# Altium PCB rev3.PcbDoc (part 6 of 7)
Units mil, origin at the board's own origin, x right, y up, seen from the top; angles counter-clockwise.
Board outline 1000 x 800 mil, 2 copper layers (Top Layer, Bottom Layer); 273 components, 16 nets, 2912 pads, 0 vias.
Unrouted connection lines stored in the file: 16.
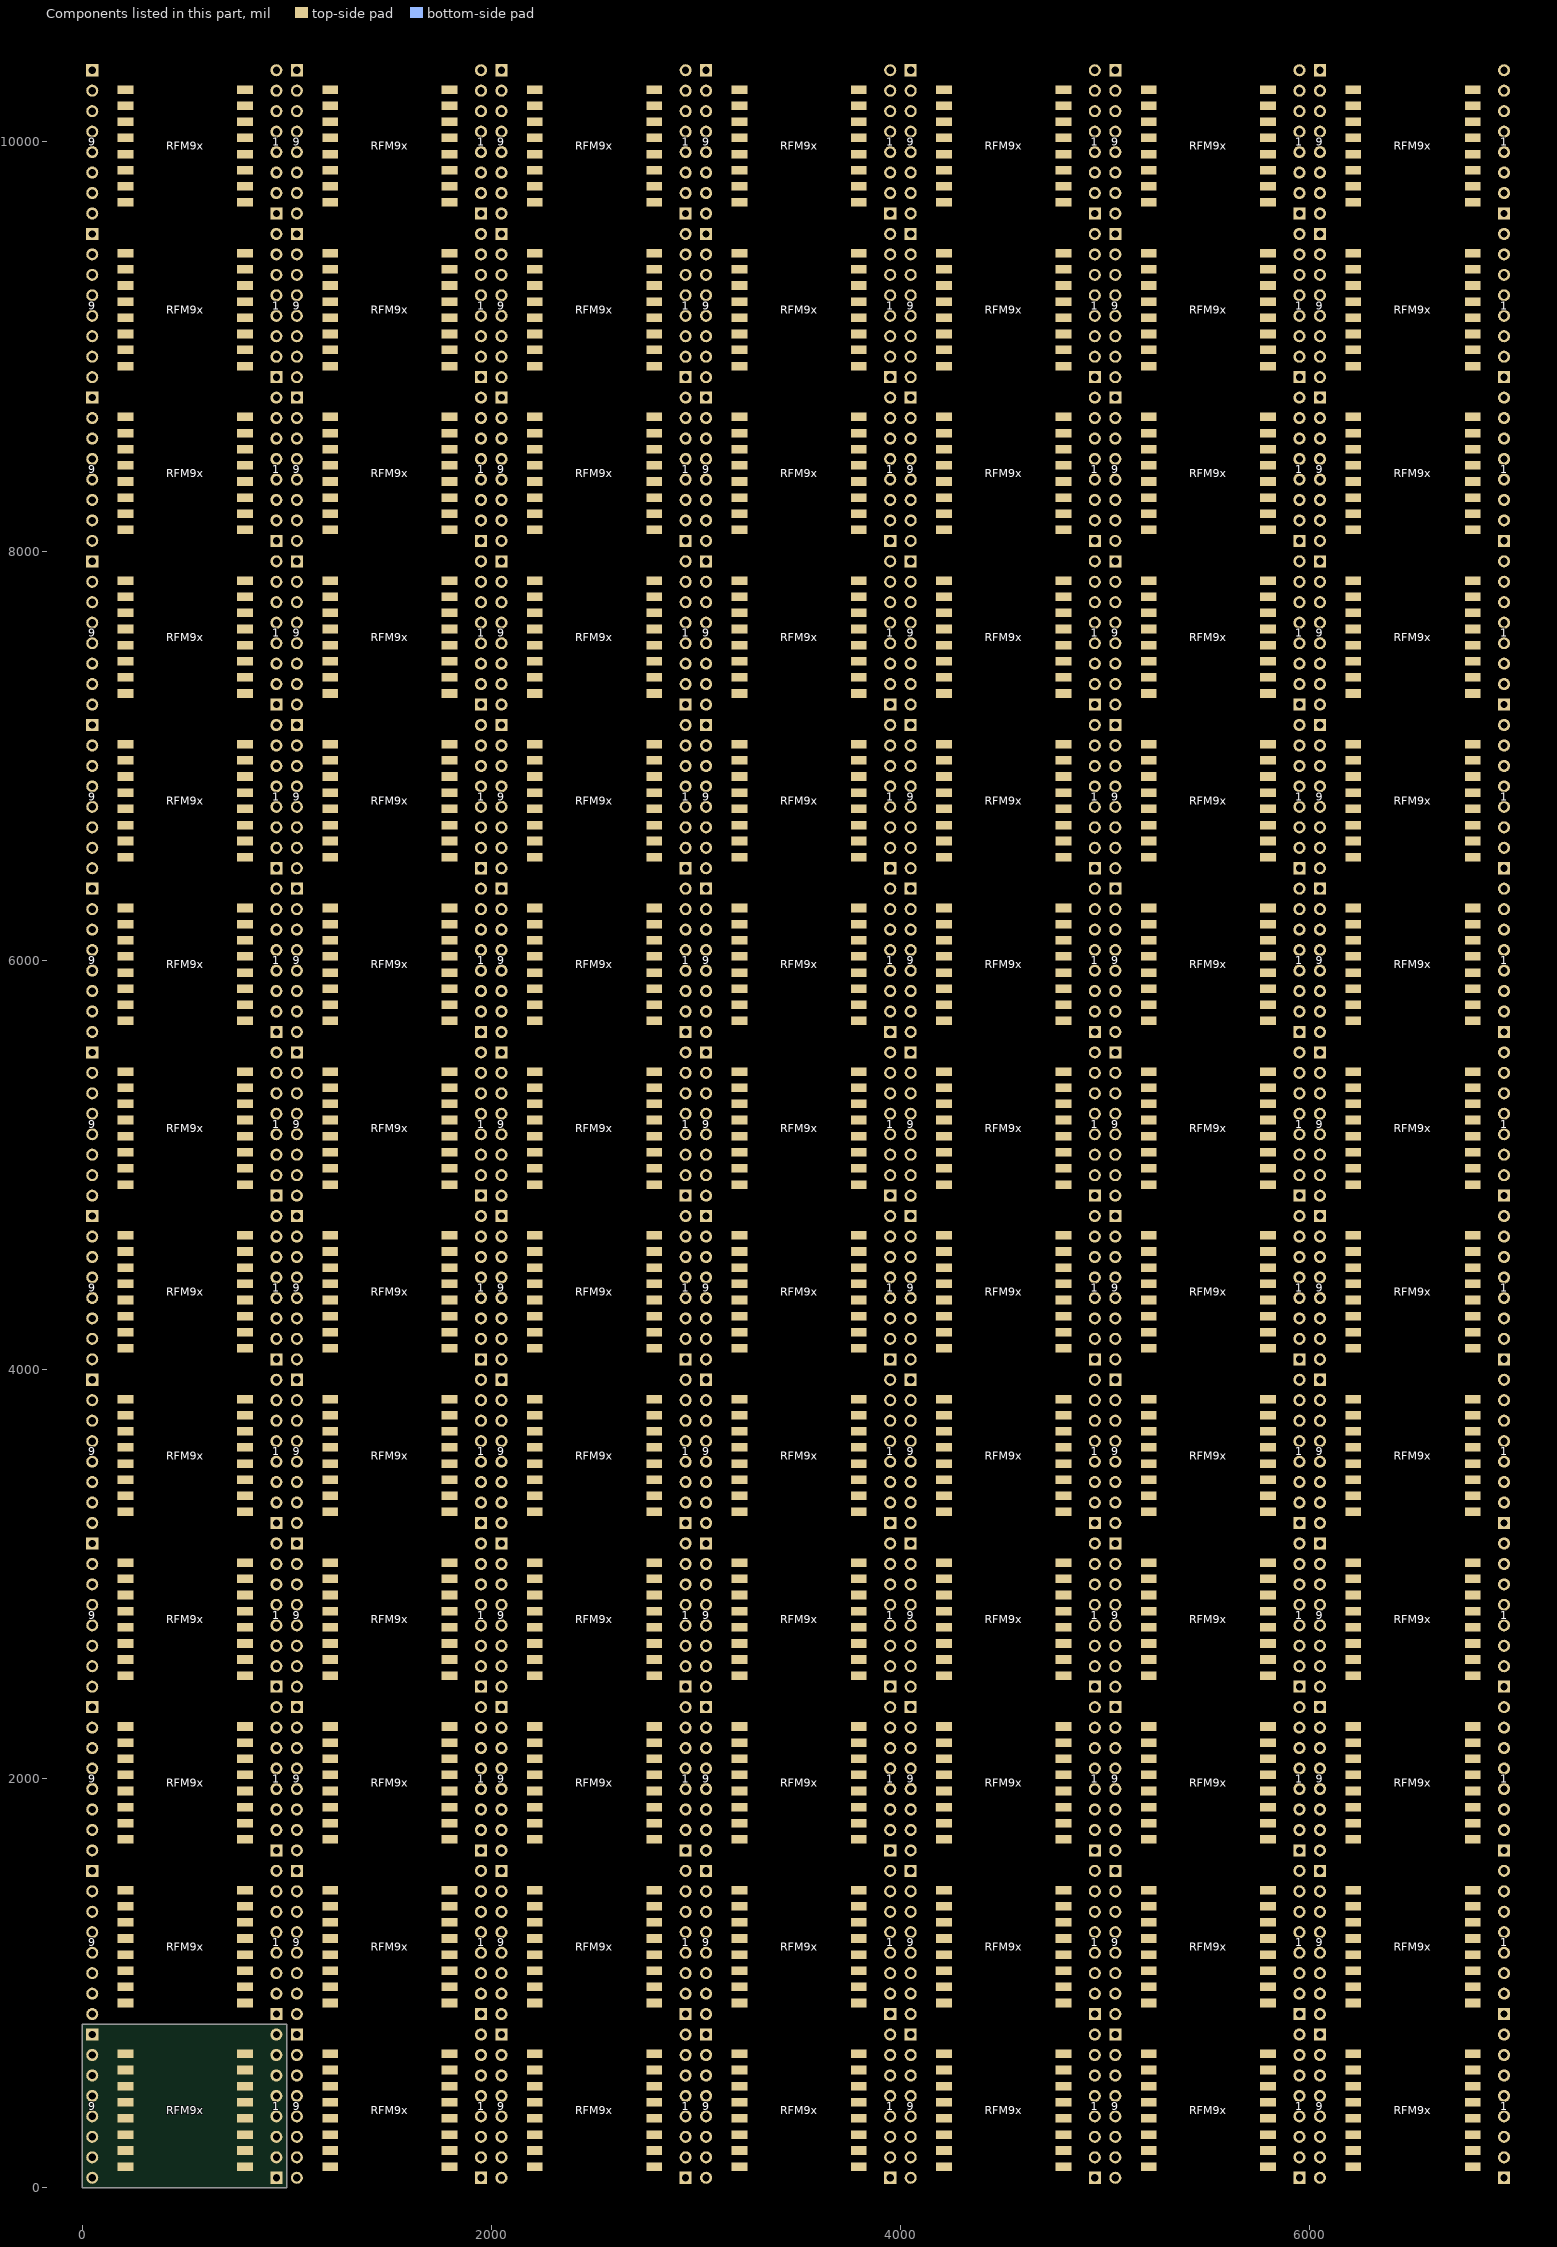
[diagram p6: the components of this part, seen from the top]

## Silkscreen, mask and mechanical layers (free items; w line width, h text height)
Top Overlay:
  text "ANT" at 150,10226 h23 r90
  text "ANT" at 1150,10226 h23 r90
  text "ANT" at 2150,10226 h23 r90
  text "ANT" at 3150,10226 h23 r90
  text "ANT" at 4150,10226 h23 r90
  text "ANT" at 5150,10226 h23 r90
  text "ANT" at 6150,10226 h23 r90
  text "GND" at 880,10225 h23 r90
  text "GND" at 1880,10225 h23 r90
  text "GND" at 2880,10225 h23 r90
  text "GND" at 3880,10225 h23 r90
  text "GND" at 4880,10225 h23 r90
  text "GND" at 5880,10225 h23 r90
  text "GND" at 6880,10225 h23 r90
  text "D5" at 880,10160 h23 r90
  text "D5" at 1880,10160 h23 r90
  text "D5" at 2880,10160 h23 r90
  text "D5" at 3880,10160 h23 r90
  text "D5" at 4880,10160 h23 r90
  text "D5" at 5880,10160 h23 r90
  text "D5" at 6880,10160 h23 r90
  text "GND" at 150,10150 h23 r90
  text "GND" at 1150,10150 h23 r90
  text "GND" at 2150,10150 h23 r90
  text "GND" at 3150,10150 h23 r90
  text "GND" at 4150,10150 h23 r90
  text "GND" at 5150,10150 h23 r90
  text "GND" at 6150,10150 h23 r90
  text "D3" at 150,10080 h23 r90
  text "D3" at 1150,10080 h23 r90
  text "D3" at 2150,10080 h23 r90
  text "D3" at 3150,10080 h23 r90
  text "D3" at 4150,10080 h23 r90
  text "D3" at 5150,10080 h23 r90
  text "D3" at 6150,10080 h23 r90
  text "RST" at 880,10070 h23 r90
  text "RST" at 1880,10070 h23 r90
  text "RST" at 2880,10070 h23 r90
  text "RST" at 3880,10070 h23 r90
  text "RST" at 4880,10070 h23 r90
  text "RST" at 5880,10070 h23 r90
  text "RST" at 6880,10070 h23 r90
  text "D4" at 150,10005 h23 r90
  text "D4" at 1150,10005 h23 r90
  text "D4" at 2150,10005 h23 r90
  text "D4" at 3150,10005 h23 r90
  text "D4" at 4150,10005 h23 r90
  text "D4" at 5150,10005 h23 r90
  text "D4" at 6150,10005 h23 r90
  text "NS" at 880,10000 h23 r90
  text "NS" at 1880,10000 h23 r90
  text "NS" at 2880,10000 h23 r90
  text "NS" at 3880,10000 h23 r90
  text "NS" at 4880,10000 h23 r90
  text "NS" at 5880,10000 h23 r90
  text "NS" at 6880,10000 h23 r90
  text "VCC" at 150,9910 h23 r90
  text "SCK" at 880,9910 h23 r90
  text "VCC" at 1150,9910 h23 r90
  text "SCK" at 1880,9910 h23 r90
  text "VCC" at 2150,9910 h23 r90
  text "SCK" at 2880,9910 h23 r90
  text "VCC" at 3150,9910 h23 r90
  text "SCK" at 3880,9910 h23 r90
  text "VCC" at 4150,9910 h23 r90
  text "SCK" at 4880,9910 h23 r90
  text "VCC" at 5150,9910 h23 r90
  text "SCK" at 5880,9910 h23 r90
  text "VCC" at 6150,9910 h23 r90
  text "SCK" at 6880,9910 h23 r90
  text "D0" at 150,9845 h23 r90
  text "MO" at 880,9845 h23 r90
  text "D0" at 1150,9845 h23 r90
  text "MO" at 1880,9845 h23 r90
  text "D0" at 2150,9845 h23 r90
  text "MO" at 2880,9845 h23 r90
  text "D0" at 3150,9845 h23 r90
  text "MO" at 3880,9845 h23 r90
  text "D0" at 4150,9845 h23 r90
  text "MO" at 4880,9845 h23 r90
  text "D0" at 5150,9845 h23 r90
  text "MO" at 5880,9845 h23 r90
  text "D0" at 6150,9845 h23 r90
  text "MO" at 6880,9845 h23 r90
  text "D1" at 150,9770 h23 r90
  text "MI" at 880,9770 h23 r90
  text "D1" at 1150,9770 h23 r90
  text "MI" at 1880,9770 h23 r90
  text "D1" at 2150,9770 h23 r90
  text "MI" at 2880,9770 h23 r90
  text "D1" at 3150,9770 h23 r90
  text "MI" at 3880,9770 h23 r90
  text "D1" at 4150,9770 h23 r90
  text "MI" at 4880,9770 h23 r90
  text "D1" at 5150,9770 h23 r90
  text "MI" at 5880,9770 h23 r90
  text "D1" at 6150,9770 h23 r90
  text "MI" at 6880,9770 h23 r90
  text "D2" at 150,9685 h23 r90
  text "D2" at 1150,9685 h23 r90
  text "D2" at 2150,9685 h23 r90
  text "D2" at 3150,9685 h23 r90
  text "D2" at 4150,9685 h23 r90
  text "D2" at 5150,9685 h23 r90
  text "D2" at 6150,9685 h23 r90
  text "GND" at 865,9680 h20 r90
  text "GND" at 1865,9680 h20 r90
  text "GND" at 2865,9680 h20 r90
  text "GND" at 3865,9680 h20 r90
  text "GND" at 4865,9680 h20 r90
  text "GND" at 5865,9680 h20 r90
  text "GND" at 6865,9680 h20 r90
  text "LoRaWan Thailand." at 315,9615 h30
  text "LoRaWan Thailand." at 1315,9615 h30
  text "LoRaWan Thailand." at 2315,9615 h30
  text "LoRaWan Thailand." at 3315,9615 h30
  text "LoRaWan Thailand." at 4315,9615 h30
  text "LoRaWan Thailand." at 5315,9615 h30
  text "LoRaWan Thailand." at 6315,9615 h30
  text "ANT" at 150,9426 h23 r90
  text "ANT" at 1150,9426 h23 r90
  text "ANT" at 2150,9426 h23 r90
  text "ANT" at 3150,9426 h23 r90
  text "ANT" at 4150,9426 h23 r90
  text "ANT" at 5150,9426 h23 r90
  text "ANT" at 6150,9426 h23 r90
  text "GND" at 880,9425 h23 r90
  text "GND" at 1880,9425 h23 r90
  text "GND" at 2880,9425 h23 r90
  text "GND" at 3880,9425 h23 r90
  text "GND" at 4880,9425 h23 r90
  text "GND" at 5880,9425 h23 r90
  text "GND" at 6880,9425 h23 r90
  text "D5" at 880,9360 h23 r90
  text "D5" at 1880,9360 h23 r90
  text "D5" at 2880,9360 h23 r90
  text "D5" at 3880,9360 h23 r90
  text "D5" at 4880,9360 h23 r90
  text "D5" at 5880,9360 h23 r90
  text "D5" at 6880,9360 h23 r90
  text "GND" at 150,9350 h23 r90
  text "GND" at 1150,9350 h23 r90
  text "GND" at 2150,9350 h23 r90
  text "GND" at 3150,9350 h23 r90
  text "GND" at 4150,9350 h23 r90
  text "GND" at 5150,9350 h23 r90
  text "GND" at 6150,9350 h23 r90
  text "D3" at 150,9280 h23 r90
  text "D3" at 1150,9280 h23 r90
  text "D3" at 2150,9280 h23 r90
  text "D3" at 3150,9280 h23 r90
  text "D3" at 4150,9280 h23 r90
  text "D3" at 5150,9280 h23 r90
  text "D3" at 6150,9280 h23 r90
  text "RST" at 880,9270 h23 r90
  text "RST" at 1880,9270 h23 r90
  text "RST" at 2880,9270 h23 r90
  text "RST" at 3880,9270 h23 r90
  text "RST" at 4880,9270 h23 r90
  text "RST" at 5880,9270 h23 r90
  text "RST" at 6880,9270 h23 r90
  text "D4" at 150,9205 h23 r90
  text "D4" at 1150,9205 h23 r90
  text "D4" at 2150,9205 h23 r90
  text "D4" at 3150,9205 h23 r90
  text "D4" at 4150,9205 h23 r90
  text "D4" at 5150,9205 h23 r90
  text "D4" at 6150,9205 h23 r90
  text "NS" at 880,9200 h23 r90
  text "NS" at 1880,9200 h23 r90
  text "NS" at 2880,9200 h23 r90
  text "NS" at 3880,9200 h23 r90
  text "NS" at 4880,9200 h23 r90
  text "NS" at 5880,9200 h23 r90
  text "NS" at 6880,9200 h23 r90
  text "VCC" at 150,9110 h23 r90
  text "SCK" at 880,9110 h23 r90
  text "VCC" at 1150,9110 h23 r90
  text "SCK" at 1880,9110 h23 r90
  text "VCC" at 2150,9110 h23 r90
  text "SCK" at 2880,9110 h23 r90
  text "VCC" at 3150,9110 h23 r90
  text "SCK" at 3880,9110 h23 r90
  text "VCC" at 4150,9110 h23 r90
  text "SCK" at 4880,9110 h23 r90
  text "VCC" at 5150,9110 h23 r90
  text "SCK" at 5880,9110 h23 r90
  text "VCC" at 6150,9110 h23 r90
  text "SCK" at 6880,9110 h23 r90
  text "D0" at 150,9045 h23 r90
  text "MO" at 880,9045 h23 r90
  text "D0" at 1150,9045 h23 r90
  text "MO" at 1880,9045 h23 r90
  text "D0" at 2150,9045 h23 r90
  text "MO" at 2880,9045 h23 r90
  text "D0" at 3150,9045 h23 r90
  text "MO" at 3880,9045 h23 r90
  text "D0" at 4150,9045 h23 r90
  text "MO" at 4880,9045 h23 r90
  text "D0" at 5150,9045 h23 r90
  text "MO" at 5880,9045 h23 r90
  text "D0" at 6150,9045 h23 r90
  text "MO" at 6880,9045 h23 r90
  text "D1" at 150,8970 h23 r90
  text "MI" at 880,8970 h23 r90
  text "D1" at 1150,8970 h23 r90
  text "MI" at 1880,8970 h23 r90
  text "D1" at 2150,8970 h23 r90
  text "MI" at 2880,8970 h23 r90
  text "D1" at 3150,8970 h23 r90
  text "MI" at 3880,8970 h23 r90
  text "D1" at 4150,8970 h23 r90
  text "MI" at 4880,8970 h23 r90
  text "D1" at 5150,8970 h23 r90
  text "MI" at 5880,8970 h23 r90
  text "D1" at 6150,8970 h23 r90
  text "MI" at 6880,8970 h23 r90
  text "D2" at 150,8885 h23 r90
  text "D2" at 1150,8885 h23 r90
  text "D2" at 2150,8885 h23 r90
  text "D2" at 3150,8885 h23 r90
  text "D2" at 4150,8885 h23 r90
  text "D2" at 5150,8885 h23 r90
  text "D2" at 6150,8885 h23 r90
  text "GND" at 865,8880 h20 r90
  text "GND" at 1865,8880 h20 r90
  text "GND" at 2865,8880 h20 r90
  text "GND" at 3865,8880 h20 r90
  text "GND" at 4865,8880 h20 r90
  text "GND" at 5865,8880 h20 r90
  text "GND" at 6865,8880 h20 r90
  text "LoRaWan Thailand." at 315,8815 h30
  text "LoRaWan Thailand." at 1315,8815 h30
  text "LoRaWan Thailand." at 2315,8815 h30
  text "LoRaWan Thailand." at 3315,8815 h30
  text "LoRaWan Thailand." at 4315,8815 h30
  text "LoRaWan Thailand." at 5315,8815 h30
  text "LoRaWan Thailand." at 6315,8815 h30
  text "ANT" at 150,8626 h23 r90
  text "ANT" at 1150,8626 h23 r90
  text "ANT" at 2150,8626 h23 r90
  text "ANT" at 3150,8626 h23 r90
  text "ANT" at 4150,8626 h23 r90
  text "ANT" at 5150,8626 h23 r90
  text "ANT" at 6150,8626 h23 r90
  text "GND" at 880,8625 h23 r90
  text "GND" at 1880,8625 h23 r90
  text "GND" at 2880,8625 h23 r90
  text "GND" at 3880,8625 h23 r90
  text "GND" at 4880,8625 h23 r90
  text "GND" at 5880,8625 h23 r90
  text "GND" at 6880,8625 h23 r90
  text "D5" at 880,8560 h23 r90
  text "D5" at 1880,8560 h23 r90
  text "D5" at 2880,8560 h23 r90
  text "D5" at 3880,8560 h23 r90
  text "D5" at 4880,8560 h23 r90
  text "D5" at 5880,8560 h23 r90
  text "D5" at 6880,8560 h23 r90
  text "GND" at 150,8550 h23 r90
  text "GND" at 1150,8550 h23 r90
  text "GND" at 2150,8550 h23 r90
  text "GND" at 3150,8550 h23 r90
  text "GND" at 4150,8550 h23 r90
  text "GND" at 5150,8550 h23 r90
  text "GND" at 6150,8550 h23 r90
  text "D3" at 150,8480 h23 r90
  text "D3" at 1150,8480 h23 r90
  text "D3" at 2150,8480 h23 r90
  text "D3" at 3150,8480 h23 r90
  text "D3" at 4150,8480 h23 r90
  text "D3" at 5150,8480 h23 r90
  text "D3" at 6150,8480 h23 r90
  text "RST" at 880,8470 h23 r90
  text "RST" at 1880,8470 h23 r90
  text "RST" at 2880,8470 h23 r90
  text "RST" at 3880,8470 h23 r90
  text "RST" at 4880,8470 h23 r90
  text "RST" at 5880,8470 h23 r90
  text "RST" at 6880,8470 h23 r90
  text "D4" at 150,8405 h23 r90
  text "D4" at 1150,8405 h23 r90
  text "D4" at 2150,8405 h23 r90
  text "D4" at 3150,8405 h23 r90
  text "D4" at 4150,8405 h23 r90
  text "D4" at 5150,8405 h23 r90
  text "D4" at 6150,8405 h23 r90
  text "NS" at 880,8400 h23 r90
  text "NS" at 1880,8400 h23 r90
  text "NS" at 2880,8400 h23 r90
  text "NS" at 3880,8400 h23 r90
  text "NS" at 4880,8400 h23 r90
  text "NS" at 5880,8400 h23 r90
  text "NS" at 6880,8400 h23 r90
  text "VCC" at 150,8310 h23 r90
  text "SCK" at 880,8310 h23 r90
  text "VCC" at 1150,8310 h23 r90
  text "SCK" at 1880,8310 h23 r90
  text "VCC" at 2150,8310 h23 r90
  text "SCK" at 2880,8310 h23 r90
  text "VCC" at 3150,8310 h23 r90
  text "SCK" at 3880,8310 h23 r90
  text "VCC" at 4150,8310 h23 r90
  text "SCK" at 4880,8310 h23 r90
  text "VCC" at 5150,8310 h23 r90
  text "SCK" at 5880,8310 h23 r90
  text "VCC" at 6150,8310 h23 r90
  text "SCK" at 6880,8310 h23 r90
  text "D0" at 150,8245 h23 r90
  text "MO" at 880,8245 h23 r90
  text "D0" at 1150,8245 h23 r90
  text "MO" at 1880,8245 h23 r90
  text "D0" at 2150,8245 h23 r90
  text "MO" at 2880,8245 h23 r90
  text "D0" at 3150,8245 h23 r90
  text "MO" at 3880,8245 h23 r90
  text "D0" at 4150,8245 h23 r90
  text "MO" at 4880,8245 h23 r90
  text "D0" at 5150,8245 h23 r90
  text "MO" at 5880,8245 h23 r90
  text "D0" at 6150,8245 h23 r90
  text "MO" at 6880,8245 h23 r90
  text "D1" at 150,8170 h23 r90
  text "MI" at 880,8170 h23 r90
  text "D1" at 1150,8170 h23 r90
  text "MI" at 1880,8170 h23 r90
  text "D1" at 2150,8170 h23 r90
  text "MI" at 2880,8170 h23 r90
  text "D1" at 3150,8170 h23 r90
  text "MI" at 3880,8170 h23 r90
  text "D1" at 4150,8170 h23 r90
  text "MI" at 4880,8170 h23 r90
  text "D1" at 5150,8170 h23 r90
  text "MI" at 5880,8170 h23 r90
  text "D1" at 6150,8170 h23 r90
  text "MI" at 6880,8170 h23 r90
  text "D2" at 150,8085 h23 r90
  text "D2" at 1150,8085 h23 r90
  text "D2" at 2150,8085 h23 r90
  text "D2" at 3150,8085 h23 r90
  text "D2" at 4150,8085 h23 r90
  text "D2" at 5150,8085 h23 r90
  text "D2" at 6150,8085 h23 r90
  text "GND" at 865,8080 h20 r90
  text "GND" at 1865,8080 h20 r90
  text "GND" at 2865,8080 h20 r90
  text "GND" at 3865,8080 h20 r90
  text "GND" at 4865,8080 h20 r90
  text "GND" at 5865,8080 h20 r90
  text "GND" at 6865,8080 h20 r90
  text "LoRaWan Thailand." at 315,8015 h30
  text "LoRaWan Thailand." at 1315,8015 h30
  text "LoRaWan Thailand." at 2315,8015 h30
  text "LoRaWan Thailand." at 3315,8015 h30
  text "LoRaWan Thailand." at 4315,8015 h30
  text "LoRaWan Thailand." at 5315,8015 h30
  text "LoRaWan Thailand." at 6315,8015 h30
  text "ANT" at 150,7826 h23 r90
  text "ANT" at 1150,7826 h23 r90
  text "ANT" at 2150,7826 h23 r90
  text "ANT" at 3150,7826 h23 r90
  text "ANT" at 4150,7826 h23 r90
  text "ANT" at 5150,7826 h23 r90
  text "ANT" at 6150,7826 h23 r90
  text "GND" at 880,7825 h23 r90
  text "GND" at 1880,7825 h23 r90
  text "GND" at 2880,7825 h23 r90
  text "GND" at 3880,7825 h23 r90
  text "GND" at 4880,7825 h23 r90
  text "GND" at 5880,7825 h23 r90
  text "GND" at 6880,7825 h23 r90
  text "D5" at 880,7760 h23 r90
  text "D5" at 1880,7760 h23 r90
  text "D5" at 2880,7760 h23 r90
  text "D5" at 3880,7760 h23 r90
  text "D5" at 4880,7760 h23 r90
  text "D5" at 5880,7760 h23 r90
  text "D5" at 6880,7760 h23 r90
  text "GND" at 150,7750 h23 r90
  text "GND" at 1150,7750 h23 r90
  text "GND" at 2150,7750 h23 r90
  text "GND" at 3150,7750 h23 r90
  text "GND" at 4150,7750 h23 r90
  text "GND" at 5150,7750 h23 r90
  text "GND" at 6150,7750 h23 r90
  text "D3" at 150,7680 h23 r90
  text "D3" at 1150,7680 h23 r90
  text "D3" at 2150,7680 h23 r90
  text "D3" at 3150,7680 h23 r90
  text "D3" at 4150,7680 h23 r90
  text "D3" at 5150,7680 h23 r90
  text "D3" at 6150,7680 h23 r90
  text "RST" at 880,7670 h23 r90
  text "RST" at 1880,7670 h23 r90
  text "RST" at 2880,7670 h23 r90
  text "RST" at 3880,7670 h23 r90
  text "RST" at 4880,7670 h23 r90
  text "RST" at 5880,7670 h23 r90
  text "RST" at 6880,7670 h23 r90
  text "D4" at 150,7605 h23 r90
  text "D4" at 1150,7605 h23 r90
  text "D4" at 2150,7605 h23 r90
  text "D4" at 3150,7605 h23 r90
  text "D4" at 4150,7605 h23 r90
  text "D4" at 5150,7605 h23 r90
  text "D4" at 6150,7605 h23 r90
  text "NS" at 880,7600 h23 r90
  text "NS" at 1880,7600 h23 r90
  text "NS" at 2880,7600 h23 r90
  text "NS" at 3880,7600 h23 r90
  text "NS" at 4880,7600 h23 r90
  text "NS" at 5880,7600 h23 r90
  text "NS" at 6880,7600 h23 r90
  text "VCC" at 150,7510 h23 r90
  text "SCK" at 880,7510 h23 r90
  text "VCC" at 1150,7510 h23 r90
  text "SCK" at 1880,7510 h23 r90
  text "VCC" at 2150,7510 h23 r90
  text "SCK" at 2880,7510 h23 r90
  text "VCC" at 3150,7510 h23 r90
  text "SCK" at 3880,7510 h23 r90
  text "VCC" at 4150,7510 h23 r90
  text "SCK" at 4880,7510 h23 r90
  text "VCC" at 5150,7510 h23 r90
  text "SCK" at 5880,7510 h23 r90
  text "VCC" at 6150,7510 h23 r90
  text "SCK" at 6880,7510 h23 r90
  text "D0" at 150,7445 h23 r90
  text "MO" at 880,7445 h23 r90
  text "D0" at 1150,7445 h23 r90
  text "MO" at 1880,7445 h23 r90
  text "D0" at 2150,7445 h23 r90
  text "MO" at 2880,7445 h23 r90
  text "D0" at 3150,7445 h23 r90
  text "MO" at 3880,7445 h23 r90
  text "D0" at 4150,7445 h23 r90
  text "MO" at 4880,7445 h23 r90
  text "D0" at 5150,7445 h23 r90
  text "MO" at 5880,7445 h23 r90
  text "D0" at 6150,7445 h23 r90
  text "MO" at 6880,7445 h23 r90
  text "D1" at 150,7370 h23 r90
  text "MI" at 880,7370 h23 r90
  text "D1" at 1150,7370 h23 r90
  text "MI" at 1880,7370 h23 r90
  text "D1" at 2150,7370 h23 r90
  text "MI" at 2880,7370 h23 r90
  text "D1" at 3150,7370 h23 r90
  text "MI" at 3880,7370 h23 r90
  text "D1" at 4150,7370 h23 r90
  text "MI" at 4880,7370 h23 r90
  text "D1" at 5150,7370 h23 r90
  text "MI" at 5880,7370 h23 r90
  text "D1" at 6150,7370 h23 r90
  text "MI" at 6880,7370 h23 r90
  text "D2" at 150,7285 h23 r90
  text "D2" at 1150,7285 h23 r90
  text "D2" at 2150,7285 h23 r90
  text "D2" at 3150,7285 h23 r90
  text "D2" at 4150,7285 h23 r90
  text "D2" at 5150,7285 h23 r90
  text "D2" at 6150,7285 h23 r90
  text "GND" at 865,7280 h20 r90
  text "GND" at 1865,7280 h20 r90
  text "GND" at 2865,7280 h20 r90
  text "GND" at 3865,7280 h20 r90
  text "GND" at 4865,7280 h20 r90
  text "GND" at 5865,7280 h20 r90
  text "GND" at 6865,7280 h20 r90
  text "LoRaWan Thailand." at 315,7215 h30
  text "LoRaWan Thailand." at 1315,7215 h30
  text "LoRaWan Thailand." at 2315,7215 h30
  text "LoRaWan Thailand." at 3315,7215 h30
  text "LoRaWan Thailand." at 4315,7215 h30
  text "LoRaWan Thailand." at 5315,7215 h30
  text "LoRaWan Thailand." at 6315,7215 h30
  text "ANT" at 150,7026 h23 r90
  text "ANT" at 1150,7026 h23 r90
  text "ANT" at 2150,7026 h23 r90
  text "ANT" at 3150,7026 h23 r90
  text "ANT" at 4150,7026 h23 r90
  text "ANT" at 5150,7026 h23 r90
  text "ANT" at 6150,7026 h23 r90
  text "GND" at 880,7025 h23 r90
  text "GND" at 1880,7025 h23 r90
  text "GND" at 2880,7025 h23 r90
  text "GND" at 3880,7025 h23 r90
  text "GND" at 4880,7025 h23 r90
  text "GND" at 5880,7025 h23 r90
  text "GND" at 6880,7025 h23 r90
  text "D5" at 880,6960 h23 r90
  text "D5" at 1880,6960 h23 r90
  text "D5" at 2880,6960 h23 r90
  text "D5" at 3880,6960 h23 r90
  text "D5" at 4880,6960 h23 r90
  text "D5" at 5880,6960 h23 r90
  text "D5" at 6880,6960 h23 r90
  text "GND" at 150,6950 h23 r90
  text "GND" at 1150,6950 h23 r90
  text "GND" at 2150,6950 h23 r90
  text "GND" at 3150,6950 h23 r90
  text "GND" at 4150,6950 h23 r90
  text "GND" at 5150,6950 h23 r90
  text "GND" at 6150,6950 h23 r90
  text "D3" at 150,6880 h23 r90
  text "D3" at 1150,6880 h23 r90
  text "D3" at 2150,6880 h23 r90
  text "D3" at 3150,6880 h23 r90
  text "D3" at 4150,6880 h23 r90
  text "D3" at 5150,6880 h23 r90
  text "D3" at 6150,6880 h23 r90
  text "RST" at 880,6870 h23 r90
  text "RST" at 1880,6870 h23 r90
  text "RST" at 2880,6870 h23 r90
  text "RST" at 3880,6870 h23 r90
  text "RST" at 4880,6870 h23 r90
  text "RST" at 5880,6870 h23 r90
  text "RST" at 6880,6870 h23 r90
  text "D4" at 150,6805 h23 r90
  text "D4" at 1150,6805 h23 r90
  text "D4" at 2150,6805 h23 r90
  text "D4" at 3150,6805 h23 r90
  text "D4" at 4150,6805 h23 r90
  text "D4" at 5150,6805 h23 r90
  text "D4" at 6150,6805 h23 r90
  text "NS" at 880,6800 h23 r90
  text "NS" at 1880,6800 h23 r90
  text "NS" at 2880,6800 h23 r90
  text "NS" at 3880,6800 h23 r90
  text "NS" at 4880,6800 h23 r90
  text "NS" at 5880,6800 h23 r90
  text "NS" at 6880,6800 h23 r90
  text "VCC" at 150,6710 h23 r90
  text "SCK" at 880,6710 h23 r90
  text "VCC" at 1150,6710 h23 r90
  text "SCK" at 1880,6710 h23 r90
  text "VCC" at 2150,6710 h23 r90
  text "SCK" at 2880,6710 h23 r90
  text "VCC" at 3150,6710 h23 r90
  text "SCK" at 3880,6710 h23 r90
  text "VCC" at 4150,6710 h23 r90
  text "SCK" at 4880,6710 h23 r90
  text "VCC" at 5150,6710 h23 r90
  text "SCK" at 5880,6710 h23 r90
  text "VCC" at 6150,6710 h23 r90
  text "SCK" at 6880,6710 h23 r90
  text "D0" at 150,6645 h23 r90
  text "MO" at 880,6645 h23 r90
  text "D0" at 1150,6645 h23 r90
  text "MO" at 1880,6645 h23 r90
  text "D0" at 2150,6645 h23 r90
  text "MO" at 2880,6645 h23 r90
  text "D0" at 3150,6645 h23 r90
  text "MO" at 3880,6645 h23 r90
  text "D0" at 4150,6645 h23 r90
  text "MO" at 4880,6645 h23 r90
  text "D0" at 5150,6645 h23 r90
  text "MO" at 5880,6645 h23 r90
  text "D0" at 6150,6645 h23 r90
  text "MO" at 6880,6645 h23 r90
  text "D1" at 150,6570 h23 r90
  text "MI" at 880,6570 h23 r90
  text "D1" at 1150,6570 h23 r90
  text "MI" at 1880,6570 h23 r90
  text "D1" at 2150,6570 h23 r90
  text "MI" at 2880,6570 h23 r90
  text "D1" at 3150,6570 h23 r90
  text "MI" at 3880,6570 h23 r90
  text "D1" at 4150,6570 h23 r90
  text "MI" at 4880,6570 h23 r90
  text "D1" at 5150,6570 h23 r90
  text "MI" at 5880,6570 h23 r90
  text "D1" at 6150,6570 h23 r90
  text "MI" at 6880,6570 h23 r90
  text "D2" at 150,6485 h23 r90
  text "D2" at 1150,6485 h23 r90
  text "D2" at 2150,6485 h23 r90
  text "D2" at 3150,6485 h23 r90
  text "D2" at 4150,6485 h23 r90
  text "D2" at 5150,6485 h23 r90
  text "D2" at 6150,6485 h23 r90
  text "GND" at 865,6480 h20 r90
  text "GND" at 1865,6480 h20 r90
  text "GND" at 2865,6480 h20 r90
  text "GND" at 3865,6480 h20 r90
  text "GND" at 4865,6480 h20 r90
  text "GND" at 5865,6480 h20 r90
  text "GND" at 6865,6480 h20 r90
  text "LoRaWan Thailand." at 315,6415 h30